# Altium PCB SVEC.pcbdoc (part 13 of 18) (continued)
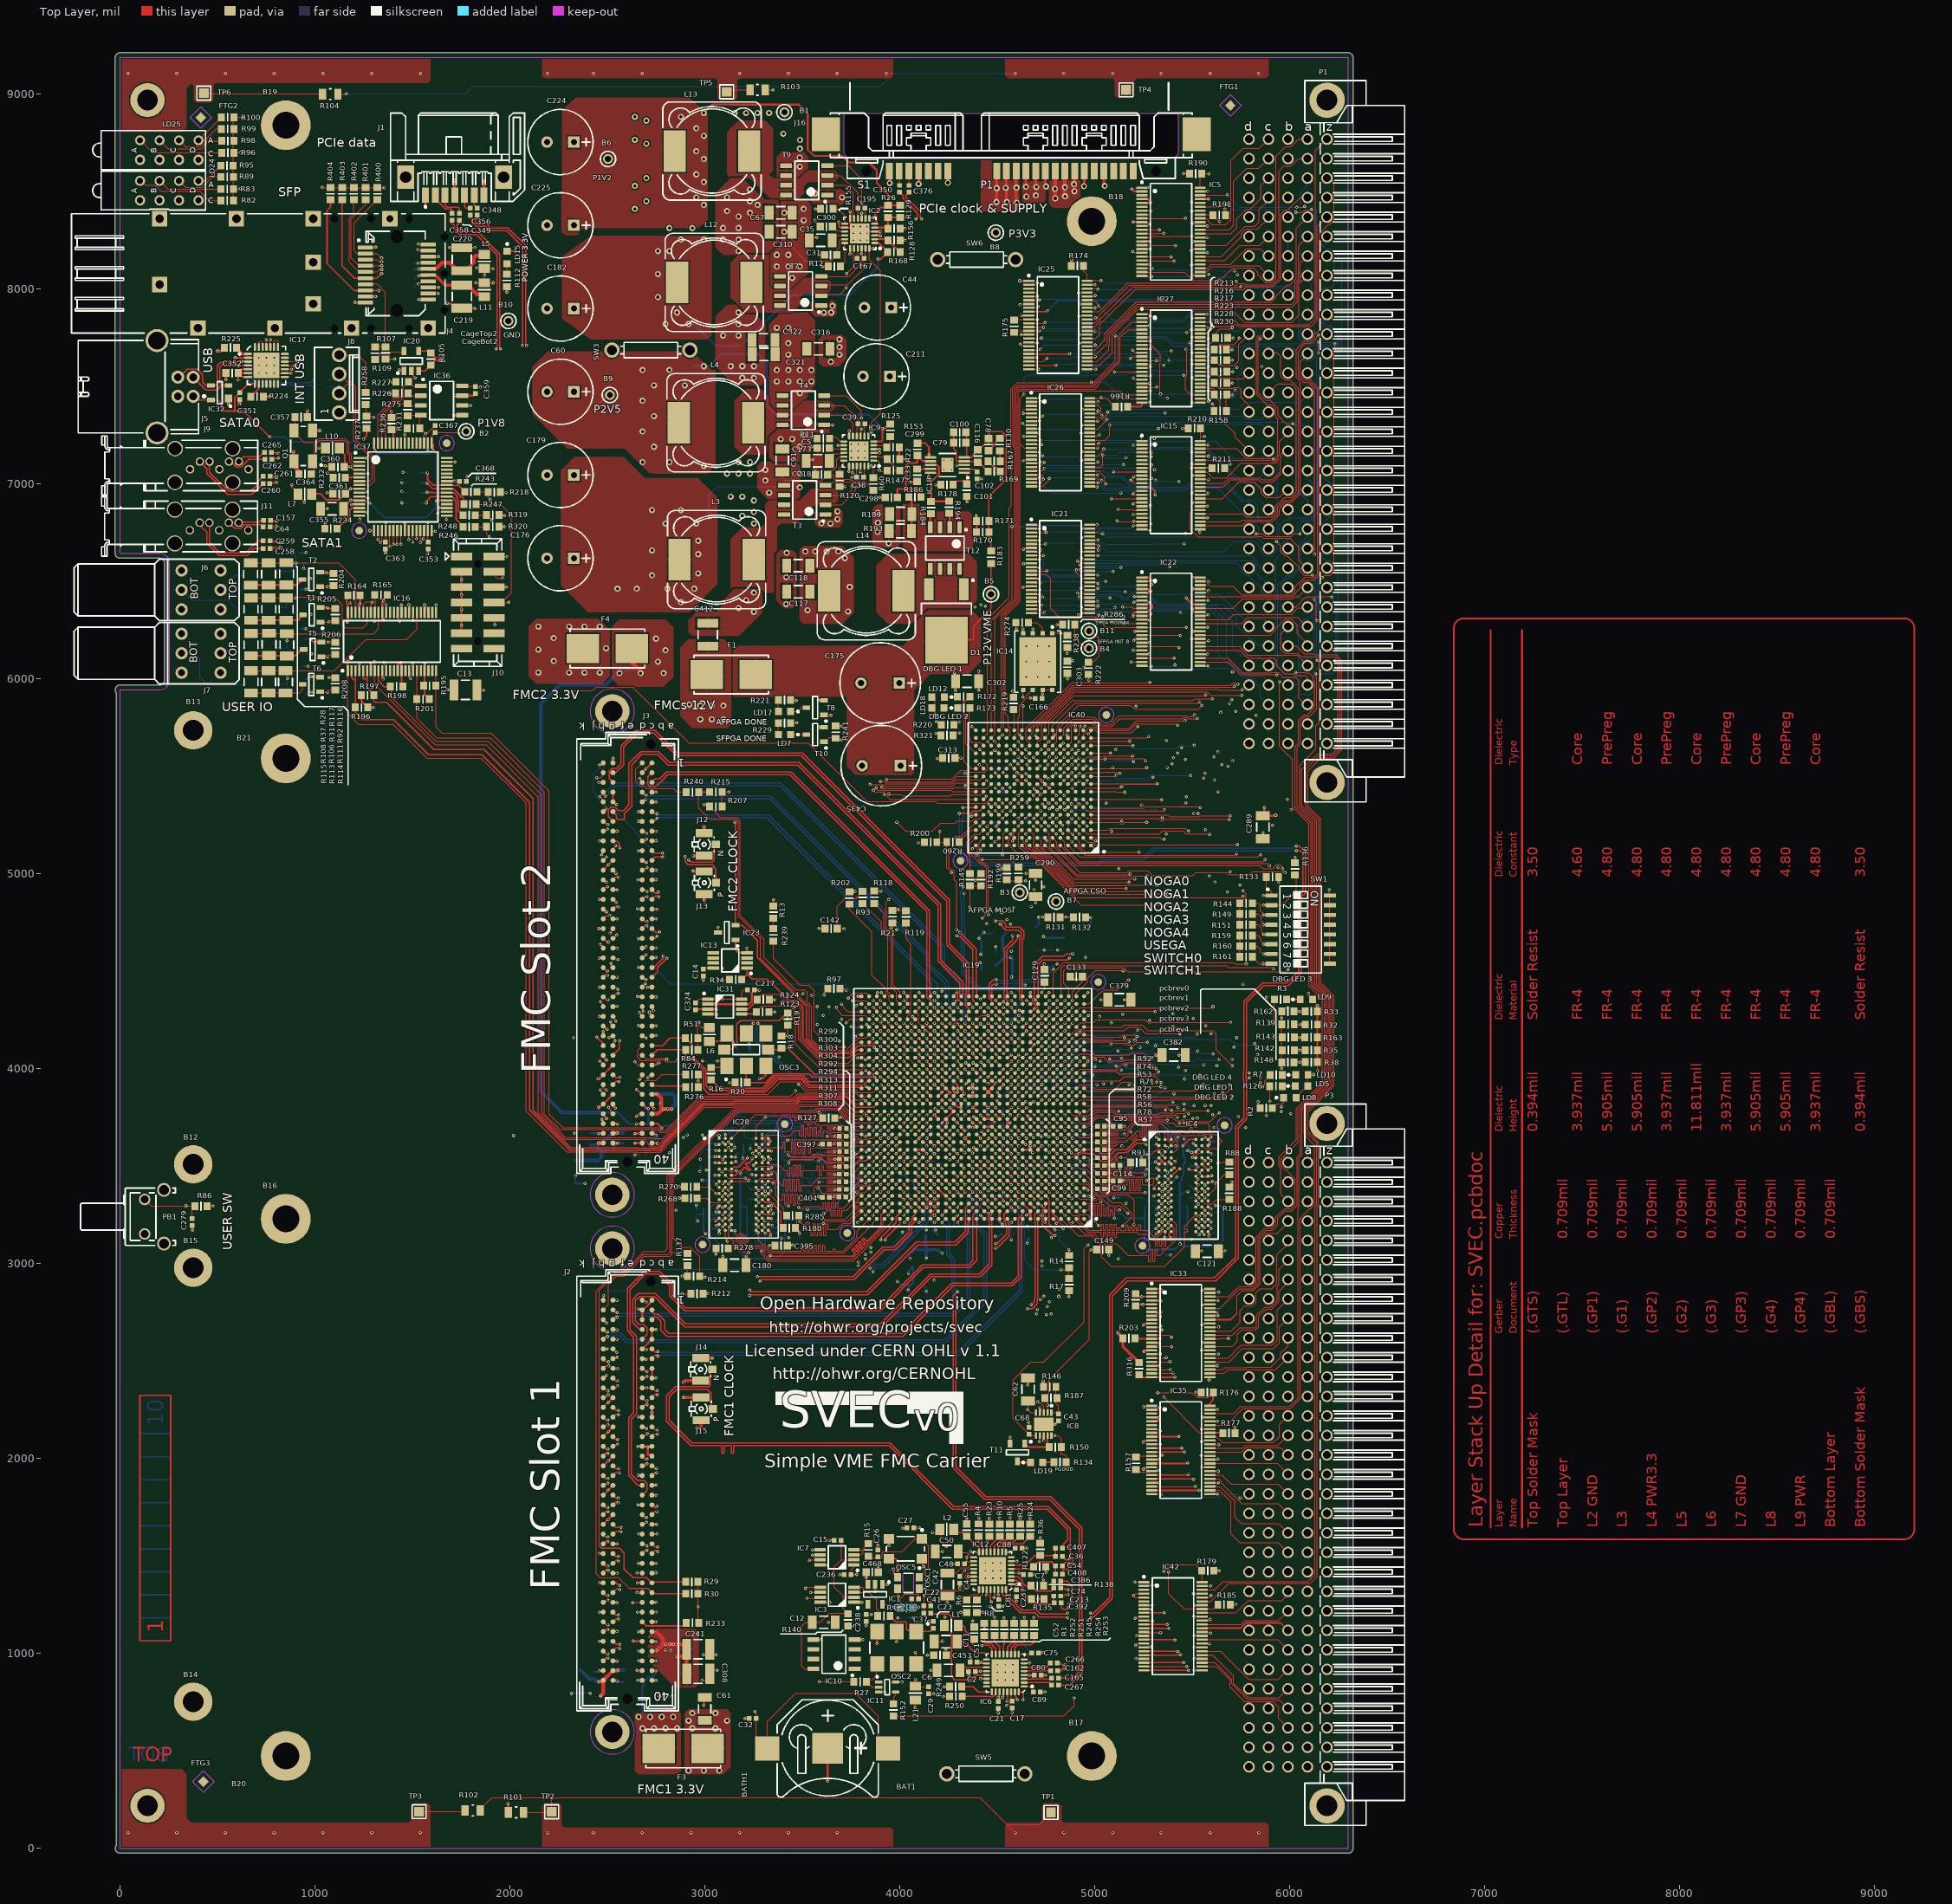
[diagram p0: Top Layer view]
## Nets (pads, with @x,y where several pads share a name; then routed paths per layer and width w, separated by ;. In a path a pad name is that pad's centre, name@x,y a point inside that pad or via, vN(x,y) a via of type N, cw(c..) or ccw(c..) an arc to the next point about the centre after c; other vN are vias at no path point) (continued)
SATA0_RX_P: C265.1 IC19.AG12 | length 5835.6
  Top Layer w6: C265.1@776.27,7162.51 791.55,7162.51 800.27,7153.79 812.55,7153.79 v1@814.35,7153.79 ; 4500.55,4271.51 4511.35,4260.71 IC19.AG12@4511.35,4253.26
  L3 w4: v1(812.55,7156.51) 812.55,7153.51 815.68,7150.38 818.96,7150.38 824.83,7144.51 829.52,7144.51 841.55,7132.48 841.55,7085.48 990.55,6936.48 990.55,6898.1 1261.55,6627.1 1261.55,6285.48 1298.52,6248.51 1858.14,6248.51 2125.52,5981.12 2718.91,5981.12 3072.52,5627.51 3261.52,5627.51 3384.02,5505.01 3915.46,5505.01 3920.84,5510.38 4146.65,5510.38 4273.55,5383.48 4273.55,5169.48 4591.65,4851.38 4592.27,4851.38 4607.43,4836.22 4607.43,4835.6 4638.55,4804.48 4638.55,4598.36 4515.69,4475.5 4515.69,4467.88 4516.43,4467.14 4516.43,4447.37 4515.69,4446.63 4515.69,4444.13 4516.43,4443.39 4516.43,4423.62 4515.69,4422.88 4515.69,4294.5 v1@4496.76,4275.57
  other v1: 4491.66,4272.95
SATA0_TX_N: C261.1 IC19.AK11 | length 5607.7
  Top Layer w6: C261.1@769.27,7039.51 784.55,7039.51 791.18,7032.88 v1(801.55,7032.88) ; IC19.AK11@4550.72,4371.37 4550.72,4384.51 4549.55,4385.67 4549.55,4610.71 4592.55,4653.71 4592.55,4654.51 4601.55,4663.51 4601.55,4681.51 v1(4606.55,4681.51)
  L3 w4: v1(801.55,7032.88) 807.43,7027.01 825.52,7027.01 924.68,6927.85 924.68,6865.38 1213.55,6576.51 1213.55,6219.48 1239.52,6193.51 1753.82,6193.51 ; 1674.55,6193.64 1753.69,6193.64 1753.82,6193.51 ; v1(4606.55,4681.51) 4600.55,4687.51 4600.55,4788.35 4577.27,4811.63 4575.81,4811.63 4567.68,4819.76 4567.68,4821.22 4413.43,4975.48 4413.43,4977.22 4239.55,5151.1 4239.55,5267.48 4112.52,5394.51 3929.17,5394.51 3926.3,5391.63 3914.81,5391.63 3911.93,5394.51 3402.55,5394.51 3209.55,5587.51 3014.62,5587.51 2891.53,5710.59 2236.74,5710.59 1753.82,6193.51
SATA0_TX_P: C260.1 IC19.AJ11 | length 5548.1
  Top Layer w6: C260.1@768.27,7002.51 783.55,7002.51 790.18,7009.13 v1(801.55,7009.13) ; IC19.AJ11@4550.72,4332 4550.72,4347.55 4533.88,4364.4 4533.88,4378.35 4535.55,4380.02 4535.55,4616.51 4578.55,4659.51 v1(4578.55,4682.51)
  L3 w4: v1(801.55,7009.13) 807.43,7015.01 820.55,7015.01 912.68,6922.88 912.68,6860.41 1201.55,6571.54 1201.55,6214.51 1234.55,6181.51 1751.68,6181.51 2233.62,5699.57 2877.71,5699.57 2878.69,5698.59 2886.56,5698.59 3009.65,5575.51 3204.58,5575.51 3397.58,5382.51 3906.96,5382.51 3909.84,5379.63 3931.27,5379.63 3934.15,5382.51 4107.55,5382.51 4227.55,5262.51 4227.55,5146.13 4401.43,4972.25 4401.43,4969.04 4588.55,4781.91 4588.55,4692.51 v1(4578.55,4682.51)
SATA1_RX_N: C259.1 IC19.AH10 | length 5379.3
  Top Layer w6: C259.1@770.27,6707.51 785.55,6707.51 793.68,6699.38 v1(821.55,6699.38) ; 4578.55,4307.51 4577.55,4307.51 4577.55,4305.17 IC19.AH10@4590.09,4292.63
  L3 w4: 827.43,6693.51 973.52,6693.51 1117.55,6549.48 1117.55,6167.51 1167.42,6117.64 1615.69,6117.64 2107.82,5625.51 2605.52,5625.51 2654.52,5576.51 2876.52,5576.51 2942.65,5510.38 3091.68,5510.38 3280.55,5321.51 3993.52,5321.51 4127.55,5187.48 4127.55,5119.51 4313.55,4933.51 v1(4323.55,4933.51)
  Bottom Layer w6: v1(4323.55,4933.51) 4317.55,4927.51 4317.55,4915.2 4310.68,4908.32 4310.68,4871.38 4315.55,4866.51 4315.55,4711.81 4322.56,4704.8 4322.56,4692.48 4315.55,4685.47 4315.55,4490.71 4404.76,4401.51 4542.55,4401.51 4553.55,4390.51 4553.55,4361.51 4552.68,4360.63 4552.68,4325.65 4562.69,4315.64
  other v1: 4570.4,4312.32
SATA1_RX_P: C258.1 IC19.AG10 | length 5511.8
  Top Layer w6: C258.1@770.27,6667.51 785.55,6667.51 793.68,6675.63 v1(821.55,6675.63) ; IC19.AG10@4590.09,4253.26 4596.07,4253.26 v1(4608.69,4240.64)
  L3 w4: v1(821.55,6675.63) 827.43,6681.51 968.55,6681.51 1105.55,6544.51 1105.55,6162.54 1160.45,6107.64 1611.55,6107.64 2103.68,5615.51 2106.51,5615.51 2108.51,5613.51 2600.55,5613.51 2649.55,5564.51 2871.55,5564.51 2937.68,5498.38 3086.71,5498.38 3275.58,5309.51 3988.55,5309.51 4115.55,5182.51 4115.55,5114.54 4314.07,4916.02 ; v1@4328.57,4901.52 4314.07,4916.02 ; v1(4329.55,4900.51) 4314.07,4915.99
  Bottom Layer w6: v1(4329.55,4900.51) 4329.55,4717.61 4336.56,4710.6 4336.56,4686.68 4329.55,4679.67 4329.55,4496.51 4408.55,4417.51 4587.85,4417.51 4612.69,4392.66 4612.69,4328.62 4594.9,4310.83 4594.9,4254.43 v1(4608.69,4240.64)
SATA1_TX_N: C64.1 IC19.AK9 | length 5384.3
  Top Layer w6: C64.1@770.27,6778.51 785.55,6778.51 790.55,6783.51 v1(803.55,6783.51) ; v1(4491.55,4757.51) 4498.55,4757.51 4501.43,4760.38 4523.68,4760.38 4542.55,4741.51 4542.55,4730.51 4547.55,4725.51 4613,4725.51 4635.43,4703.08 4635.43,4669.55 4626.68,4660.8 4626.68,4374.15 IC19.AK9@4629.46,4371.37
  L3 w4: v1(803.55,6783.51) 810.24,6790.19 909.87,6790.19 1138.68,6561.38 1138.68,6195.41 1188.58,6145.51 1703.51,6145.51 2192.37,5656.64 2644.69,5656.64 2687.82,5613.51 2900.55,5613.51 2968.55,5545.51 3122.58,5545.51 3320.58,5347.51 4053.55,5347.51 4171.55,5229.51 4171.55,5123.51 4450.55,4844.51 4450.55,4810.51 4456.55,4804.51 4458.43,4804.51 4466.56,4796.39 4466.56,4794.5 4491.55,4769.51 v1(4491.55,4757.51)
SATA1_TX_P: C157.1 IC19.AJ9 | length 5407.9
  Top Layer w6: C157.1@771.27,6813.51 786.55,6813.51 791.55,6808.51 v1@802.55,6808.51 ; v1(4514.55,4741.51) 4528.55,4727.51 4528.55,4724.71 4541.76,4711.51 4607.2,4711.51 4621.43,4697.28 4621.43,4675.34 4612.68,4666.6 4612.68,4378.41 4612.62,4378.35 4612.62,4364.4 4629.46,4347.55 IC19.AJ9@4629.46,4332
  L3 w4: v1@805.55,6802.19 914.84,6802.19 1150.68,6566.35 1150.68,6200.38 1193.55,6157.51 1702.82,6157.51 1704.82,6155.51 1707.65,6155.51 2196.52,5666.64 2648.83,5666.64 2689.96,5625.51 2905.52,5625.51 2973.52,5557.51 3127.55,5557.51 3325.55,5359.51 4058.52,5359.51 4183.55,5234.48 4183.55,5128.48 4462.55,4849.48 4462.55,4815.48 4509.68,4768.35 4509.68,4746.38 v1(4514.55,4741.51)
  other v1: 803.55,6808.88
SCL_AFPGA: IC19.AC29 IC31.6 R124.2 | length 953.9
  Top Layer w5: R124.2@3268.06,4354.51 3295.74,4382.19 3378.87,4382.19 3421.18,4339.88 3461.33,4339.88 3489.55,4311.66 3489.55,4153.21 3613.75,4029.01 3735.05,4029.01 3767.18,4061.13 3767.18,4061.46 3780.23,4074.51 3820.78,4074.51 IC19.AC29@3842.06,4095.78
  Top Layer w8: IC31.6@3188.17,4305.71 3221.56,4305.71 3268.06,4352.21 R124.2@3268.06,4354.51
SDA_AFPGA: IC19.AA30 IC31.5 R123.2 | length 832.2
  Top Layer w5: R123.2@3264.06,4290.51 3295.06,4321.51 3435.64,4321.51 3479.55,4277.6 3479.55,4150.48 3612.99,4017.04 IC19.AA30@3802.69,4017.04
  Top Layer w8: IC31.5@3188.17,4280.12 3253.67,4280.12 R123.2@3264.06,4290.51
SFP_CLK_N: IC6.31 IC20.4 R105.2 | length 10129.1
  Top Layer w6: IC20.4@1530.96,7681.69 1583.87,7681.69 R105.2@1593.55,7672 1617.05,7648.51 1653.18,7648.51 v1(1658.55,7653.88) ; IC6.31@4589.77,803.05 4592.83,799.99 4592.83,781.01 4595.33,778.51 4595.33,768.73 v1(4602.55,761.51)
  L8 w4: v1(1658.55,7653.88) 1686.59,7653.88 1827.69,7512.78 1827.69,6648.5 1793.69,6614.5 1793.69,5622.7 1868.55,5547.83 1868.55,914.72 1951.18,832.09 3211.03,832.09 3486.62,556.5 4569.29,556.5 4598.55,585.76 4598.55,747.48 4602.55,751.48 v1(4602.55,761.51)
SFP_CLK_P: IC6.32 IC20.3 R105.1 | length 10173.9
  Top Layer w6: IC20.3@1530.96,7579.32 1563.87,7579.32 R105.1@1593.55,7609.01 1618.55,7634.01 1654.68,7634.01 v1@1659.18,7629.51 ; IC6.32@4609.45,803.05 4624.01,803.05 4632.55,794.51 4632.55,764.51 v1(4630.55,762.51)
  L8 w4: v1(1659.55,7629.51) 1696.82,7629.51 1817.69,7508.64 1817.69,6652.64 1783.69,6618.64 1783.69,5615.73 1856.55,5542.86 1856.55,909.75 1946.21,820.09 3206.06,820.09 3481.65,544.5 4574.26,544.5 4577.78,548.01 4610.55,580.79 4610.55,742.51 v1(4630.55,762.51)
SFP_SYNCE_REFCLK: J4.7 R107.1 R109.2 | length 474.3
  Top Layer w5: J4.7@1258.14,8024.19 1260.45,8026.51 1317.55,8026.51 1361.55,7982.51 R107.1@1361.55,7703 1358.55,7706 R109.2@1290.55,7706
SFPGA_CCLK: IC14.6 IC40.R11 | length 287.5
  Top Layer w5: IC40.R11@4586.13,5696.41 4586.13,5706.41 4607.55,5727.83 4607.55,5802.51 4612.55,5807.51 4612.55,5862.83 4624.6,5874.88 4624.6,5877.55 4650.69,5903.64 4650.69,5914.64 4678.88,5942.84 IC14.6@4681.55,5942.84
SFPGA_CSO_B: IC14.1 IC40.T3 R238.1 | length 612.2
  Top Layer w5: IC14.1@4781.55,6234.18 4847.38,6234.18 R238.1@4858.55,6223 ; v1(4900.55,5756.51) 4901.09,5755.97 IC40.T3@4901.09,5735.78
  L5 w5: v1(4824.55,6233.51) 4901.93,6156.13 4901.93,5757.88 v1(4900.55,5756.51)
SFPGA_DONE: IC40.P13 R241.1 T10.1 | length 926.8
  Top Layer w5: T10.1@3610.63,5676.58 3616.62,5676.58 3638.69,5698.64 3666.92,5698.64 R241.1@3670.55,5695.01 3678.92,5686.64 v1(3700.69,5686.64) ; v1(4485.48,5678.51) 4485.55,5678.51 4507.02,5657.04 IC40.P13@4507.39,5657.04
  L6 w5: v1(3700.69,5686.64) 3704.69,5690.64 4441.92,5690.64 4442.38,5691.1 4454.29,5691.1 4454.75,5690.64 4473.34,5690.64 v1(4485.48,5678.51)
SFPGA_INIT_B: B4.1 IC40.R3 R286.1 | length 626.5
  Top Layer w5: R286.1@4897.05,6278.51 4897.05,6209.01 B4.1@4946.55,6159.51 ; IC40.R3@4901.09,5696.41 4920.55,5715.88 4920.55,5751.51 v1(4923.55,5754.51)
  L5 w5: v1(4923.55,5754.51) 4923.55,6110.51 B4.1@4968.55,6155.51
SFPGA_M0: IC40.T11 R219.2 | length 108.7
  Top Layer w5: R219.2@4582.55,5843.01 4586.13,5839.44 IC40.T11@4586.13,5735.78
SFPGA_M1: IC40.N11 R220.1 | length 374.9
  Top Layer w5: R220.1@4277.05,5776.51 v1(4307.55,5776.51) ; v1(4566.44,5637.36) IC40.N11@4586.13,5617.67
  L6 w5: v1(4307.55,5776.51) 4427.29,5776.51 v1(4566.44,5637.36)
SFPGA_MISO: IC40.P10 R274.2 | length 644.8
  Top Layer w5: R274.2@4595.06,6288.51 4595.06,6258 v1(4598.55,6254.51) ; v1(4605.81,5676.73) IC40.P10@4625.5,5657.04
  L5 w5: v1(4598.55,6254.51) 4599.05,6254.01 4598.18,6253.13 4598.18,5684.36 v1(4605.81,5676.73)
SFPGA_MOSI: IC14.5 IC40.T10 | length 209.6
  Top Layer w5: IC40.T10@4625.5,5735.78 4630.55,5740.84 v1(4630.55,5860.51) ; v1(4631.55,5906.51) IC14.5@4631.55,5942.84
  L3 w5: v1(4630.55,5860.51) 4630.55,5905.51 v1(4631.55,5906.51)
SFPGA_PROGRAM: B11.1 IC40.T2 R222.1 | length 594.4
  Top Layer w5: IC40.T2@4938.77,5737.47 IC40.T2@4940.46,5735.78 4940.46,5748.41 v1(4948.55,5756.51) ; v1(4943.55,6056.51) 4943.55,6063 R222.1@4966.55,6086 4990.53,6086 5022.05,6117.52 5022.05,6206.1 4987.65,6240.51 B11.1@4966.55,6240.51
  L5 w5: v1(4943.55,6056.51) 4948.55,6051.51 v1(4948.55,5756.51)
SFPRX_123_N: IC19.C22 J4.12 | length 7582
  Top Layer w6: J4.12@1580.97,7976.95 1581.28,7976.64 v1(1631.69,7976.64) ; IC19.C22@4117.65,3308.38 4135.52,3290.51 v1@4136.55,3290.51
  L8 w4: v1(1631.69,7976.64) 1643.69,7964.64 1692.69,7964.64 1731.69,7925.64 1731.69,7842.52 1949.68,7624.53 1949.68,5710.79 2052.69,5607.78 2052.69,3640.64 2003.69,3591.64 2003.69,3042.64 2092.04,2954.29 2546.49,2954.29 2546.83,2954.64 2604.68,2954.64 2616.55,2966.51 3827.69,2966.51 3828.69,2967.51 3839.55,2967.51 v1(3846.55,2974.51)
  Bottom Layer w6: v1(3846.55,2974.51) 3853.45,2974.51 3869.5,2990.56 3873.6,2994.66 3906.91,2994.66 4131.55,3219.3 4131.55,3285.51 v1@4136.55,3290.51
  other v1: 4136.69,3286.64
SFPRX_123_P: IC19.D22 J4.13 | length 7742.8
  Top Layer w6: J4.13@1580.97,8008.44 1581.78,8007.64 v1(1633.69,8007.64) ; IC19.D22@4117.65,3347.75 4121.31,3347.75 v1(4137.55,3331.51) v1@4139.55,3331.51
  L8 w4: 1620.46,7965.42 1629.24,7956.64 ; v1(1633.69,8007.64) 1633.69,8005.64 1613.69,7985.64 1613.69,7971.64 1628.69,7956.64 1629.24,7956.64 ; v1(3863.35,2957.71) 3861.14,2955.51 3832.83,2955.51 3831.83,2956.51 3186.69,2956.51 2620.69,2956.51 2608.82,2944.64 2550.98,2944.64 2550.63,2944.29 2087.89,2944.29 2087.55,2944.64 1993.69,3038.5 1993.69,3595.78 2042.69,3644.78 2042.69,5603.64 1939.69,5706.64 1939.68,7620.39 1721.69,7838.38 1721.69,7921.5 1688.55,7954.64 1631.24,7954.64 1629.24,7956.64
  Bottom Layer w6: v1(3863.35,2957.71) 3863.35,2964.61 3879.4,2980.66 3912.71,2980.66 4145.55,3213.51 4145.55,3267.51 4155.43,3277.38 4155.43,3278.69 4155.56,3278.82 4155.56,3280.23 4156.21,3280.88 4156.21,3296.51 4155.43,3297.29 4155.43,3313.63 v1(4137.55,3331.51) v1@4139.55,3331.51
SFPTX_123_N: IC19.A23 J4.19 | length 7815.8
  Top Layer w6: v1(1527.69,8200.64) 1530.91,8197.42 J4.19@1580.97,8197.42 ; v1(3282.55,2910.51) 3282.55,2914.51 3286.55,2914.51 3290.55,2918.51 3765.08,2918.51 3917.44,3070.87 3974.68,3070.87 4060.55,3156.74 4060.55,3198.78 4078.28,3216.51 IC19.A23@4078.28,3229.64
  L8 w4: v1(1527.69,8200.64) 1559.69,8168.64 1559.69,7906.81 1622.14,7844.36 1622.83,7844.36 1626.34,7840.85 1626.34,7840.16 1862.43,7604.07 1862.43,7490.76 1861.69,7490.02 1861.69,6691.64 1885.62,6667.71 1885.62,6630.71 1883.62,6628.71 1880.69,6625.78 1880.69,5631.5 1883.62,5628.57 1945.69,5566.5 1945.69,2999.5 1948.62,2996.57 2084.55,2860.64 2984.69,2860.64 3039.55,2915.51 3261.28,2915.51 3266.28,2910.51 v1(3282.55,2910.51)
SFPTX_123_P: IC19.B23 J4.18 | length 7816
  Top Layer w6: J4.18@1580.97,8165.92 1581.26,8165.64 v1(1632.69,8165.64) ; v1(3269.55,2932.51) 3759.28,2932.51 3911.64,3084.87 3968.88,3084.87 4046.55,3162.54 4046.55,3204.58 4061.44,3219.46 4061.44,3236.62 4078.28,3253.46 IC19.B23@4078.28,3269.01
  L8 w4: v1(1632.69,8165.64) 1590.69,8165.64 1569.69,8144.64 1569.69,7910.95 1626.28,7854.36 1626.97,7854.36 1636.34,7844.99 1636.34,7844.3 1733.34,7747.3 1736,7744.64 1872.43,7608.21 1872.43,7486.62 1871.69,7485.88 1871.69,6695.78 1892.69,6674.78 1895.62,6671.85 1895.62,6626.57 1892.69,6623.64 1890.69,6621.64 1890.69,5635.64 1955.69,5570.64 1955.69,3003.64 2088.69,2870.64 2980.55,2870.64 3037.41,2927.51 3249.55,2927.51 3254.55,2932.51 v1(3269.55,2932.51)
SI57X_CLK_N: IC19.W28 OSC3.5 | length 872.4
  Top Layer w6: OSC3.5@3210.55,4182.18 3210.55,4190.51 3247.68,4227.63 v1(3247.68,4232.51) ; v1@3867.55,3952.51 3872.82,3952.51 3881.43,3943.9 IC19.W28@3881.43,3938.3
  Bottom Layer w6: v1(3247.68,4232.51) 3252.55,4227.63 3252.55,4148.51 3337.52,4063.54 3337.52,4060.97 3367.73,4030.77 3370.29,4030.77 3443.55,3957.51 3448.55,3952.51 v1@3867.55,3952.51
  other v1: 3871.69,3954.64
SI57X_CLK_P: IC19.W27 OSC3.4 | length 898.1
  Top Layer w6: v1(3271.43,4232.51) 3310.55,4193.38 OSC3.4@3310.55,4182.18 ; v1@3901.55,3957.55 IC19.W27@3920.8,3938.3
  Bottom Layer w6: v1(3271.43,4232.51) 3266.55,4227.63 3266.55,4154.31 3351.52,4069.33 3351.52,4066.77 3373.53,4044.77 3376.09,4044.77 3454.35,3966.51 3849.69,3966.51 3857.82,3974.64 3884.46,3974.64 v1(3901.11,3957.99)
SI57X_SCL: IC19.Y30 OSC3.8 R18.1 | length 541.2
  Top Layer w6: OSC3.8@3323.86,4097.51 3385.05,4097.51 R18.1@3392.55,4105.01 3427.32,4105.01 3562.58,3969.75 3794.76,3969.75 IC19.Y30@3802.69,3977.67
SI57X_SDA: IC19.AA29 OSC3.7 R19.1 | length 1084
  Top Layer w5: R19.1@3424.55,4286 3465.55,4245 3465.55,4124.77 3595.81,3994.51 3803.27,3994.51 3825.8,4017.04 IC19.AA29@3842.06,4017.04
  Top Layer w6: OSC3.7@3098.25,4099.51 3137.59,4099.51 3165.43,4127.34 3165.43,4139.67 3163.55,4141.54 3163.55,4228.51 3183.69,4248.64 3184.95,4247.38 3380.43,4247.38 R19.1@3422.55,4289.51
SI57X_TUNE: IC19.W30 R16.2 | length 820.8
  Top Layer w6: R16.2@3038.55,3936.51 3076.05,3899.01 3295.56,3899.01 3360.07,3963.51 3503.1,3963.51 3533.11,3933.51 3797.89,3933.51 IC19.W30@3802.69,3938.3
SW: D1.1 D1.2 L14.2 T12.5 T12.6 T12.7 T12.8
SWITCH0: IC19.W22 IC40.D14 R160.1 SW1.7 | length 3306.8
  Top Layer w5: v1@4097.55,3957.51 4097.55,3957.58 v1(4097.96,3957.99) IC19.W22@4117.65,3938.3 ; v1(4447.55,5242.51) 4447.55,5242.88 IC40.D14@4468.02,5263.34 IC40.D14@4468.02,5257.97 ; R160.1@5807.05,4628.51 5833.55,4628.51 5849.55,4612.51 5849.55,4600.51 5861.55,4588.51 v1(5865.55,4588.51) SW1.7@5905.95,4588.51
  L6 w4: v1@4097.55,3957.51 4097.55,3976.62 4113.55,3992.62 4113.55,4159 4084.09,4188.46 4084.09,4199.95 4115.46,4231.32 4115.46,4323.41 4116.55,4324.51 4116.55,4700.51 4154.55,4738.51 4421.55,4738.51 4421.68,4738.63 4439.68,4738.63 v1(4444.55,4743.51) 4468.43,4719.63 4523.61,4719.63 4529.49,4725.51 4669.55,4725.51 4686.55,4708.51 5686.55,4708.51 5806.55,4588.51 v1(5865.55,4588.51)
  L5 w4: v1(4444.55,4743.51) 4436.43,4751.63 4436.43,4765.76 4436.56,4765.89 4436.56,5079.12 4432.96,5082.72 4432.96,5227.91 v1(4447.55,5242.51)
SWITCH1: IC19.W21 IC40.D16 R161.1 SW1.8 | length 3362.5
  Top Layer w5: v1@4137.55,3956.51 4137.55,3957.77 IC19.W21@4157.02,3938.3 ; v1(4290.55,4713.51) 4290.55,4953.13 4290.93,4953.51 4290.93,4956.39 4278.93,4968.39 4278.93,5012.46 4270.51,5020.88 4262.91,5020.88 4251.55,5032.23 4251.55,5115.51 4271.55,5135.51 4271.55,5177.6 4286.46,5192.51 4318.44,5192.51 IC40.D16@4389.28,5263.34 ; R161.1@5807.05,4573.51 5842.05,4538.51 v1(5861.55,4538.51) SW1.8@5905.95,4538.51
  L6 w4: v1@4137.55,3956.51 4123.05,3971.01 4123.05,4181.65 4115.81,4188.89 4115.81,4200.39 4124.43,4209 4124.43,4226.86 4123.46,4227.83 4123.46,4318.06 4124.55,4319.16 4124.55,4693.51 4140.55,4709.51 v1@4294.55,4709.51 ; v1(4290.55,4713.51) v1@4294.55,4709.51 ; v1(5861.55,4538.51) 5842.41,4538.51 5682.41,4698.51 4681.55,4698.51 4670.55,4709.51 4440.17,4709.51 4436.3,4713.38 4298.43,4713.38 v1@4294.55,4709.51
  other v1: 4137.33,3957.99
TEMPID_DQ: IC13.1 IC19.AC30 R34.1 | length 943.3
  Top Layer w8: R34.1@3189.05,4457.51 3216.17,4484.62 3216.17,4485.45 ; IC13.1@3216.17,4517.12 3216.17,4485.45 ; IC19.AC30@3802.69,4095.78 3778.83,4095.78 3740.55,4057.51 3600.1,4057.51 3501.55,4156.05 3501.55,4314.51 3465.68,4350.38 3429.23,4350.38 3320.1,4459.51 3242.11,4459.51 3216.17,4485.45
TERM_EN1: IC19.AB1 R205.2 T1.1 | length 6475.8
  Top Layer w4: v1@1071.15,6291.1 v1(1072.55,6292.51) 1078.06,6298.01 R205.2@1103.55,6298.01
  Top Layer w5: T1.1@1028.83,6291.1 v1@1071.15,6291.1 ; IC19.AB1@4944.42,4056.41 4949.51,4051.32 4995.74,4051.32 v1(5001.55,4045.51)
  L6 w4: v1(1072.55,6292.51) 1103.93,6292.51 1153.05,6341.63 2696.37,6341.63 2766.5,6271.51 4251.81,6271.51 4293.93,6313.63 4990.75,6313.63 4997.49,6320.38 5014.28,6320.38 v1(5019.81,6325.91)
  L5 w4: v1(5001.55,4045.51) 5039.69,4083.64 5039.69,4272.64 5017.81,4294.51 5017.81,4396.15 5033.43,4411.76 5033.43,5180.88 5028.43,5185.88 5028.43,6307.57 5019.81,6316.19 v1(5019.81,6325.91)
TERM_EN2: IC19.W5 R204.2 T2.1 | length 6838.3
  Top Layer w4: v1(1063.55,6472.51) 1069.06,6478.01 R204.2@1094.55,6478.01
  Top Layer w5: T2.1@1025.83,6472.1 1063.15,6472.1 v1(1063.55,6472.51) ; IC19.W5@4786.94,3938.3 v1(4806.62,3957.99) ; v1(5010.55,3918.51) v1@5014.55,3918.51
  L6 w4: v1(1063.55,6472.51) 1063.55,6442.77 1150.82,6355.51 1731.27,6355.51 1745.15,6369.38 1756.64,6369.38 1773.39,6352.63 2696.68,6352.63 2769.81,6279.51 4248.5,6279.51 4293.62,6324.63 4911.68,6324.63 v1(4914.55,6327.51)
  L5 w4: v1(4914.55,6327.51) 4929.68,6312.38 5012.3,6312.38 5020.43,6304.25 5020.43,5182.57 5025.43,5177.57 5025.43,4415.07 5009.68,4399.33 5009.68,4073.25 4987.68,4051.25 4987.68,4039.76 4995.81,4031.63 4999.05,4031.63 5016.55,4014.13 5016.55,3924.51 v1(5010.55,3918.51)
  Bottom Layer w5: v1(4806.62,3957.99) 4829.73,3934.88 4851.51,3934.88 4861.88,3924.51 5004.55,3924.51 v1(5010.55,3918.51)
TERM_EN3: IC19.W4 R208.2 T6.1 | length 6941.5
  Top Layer w4: v1@1065.15,5931.1 v1(1065.55,5931.51) 1077.06,5943.01 R208.2@1103.55,5943.01
  Top Layer w5: T6.1@1032.83,5931.1 v1@1065.15,5931.1 ; IC19.W4@4826.31,3938.3 v1(4846,3957.99)
  L6 w4: v1(1065.55,5931.51) 1102.55,5968.51 1102.55,6268.51 1159.68,6325.63 2689.74,6325.63 2759.87,6255.51 4261.55,6255.51 4303.68,6297.63 5005.68,6297.63 v1(5006.55,6298.51) ; v1(4846,3957.99) 4857.04,3957.99 4872.68,3973.63 4908,3973.63 4912,3977.63 4951.43,3977.63 4962.55,3966.51 v1(4988.55,3966.51)
  L5 w4: v1(4988.55,3966.51) 4979.68,3975.38 4979.68,4054.57 5001.68,4076.57 5001.68,4402.64 5017.43,4418.39 5017.43,5174.25 5006.55,5185.13 v1(5006.55,6298.51)
TERM_EN4: IC19.V4 R206.2 T5.1 | length 6918.1
  Top Layer w4: v1(1065.55,6113.51) 1076.06,6124.01 R206.2@1103.55,6124.01
  Top Layer w5: T5.1@1032.83,6113.1 1065.15,6113.1 v1(1065.55,6113.51) ; IC19.V4@4826.31,3898.93 v1(4846,3918.62) 4845.55,3919.06 v1@4845.55,3920.51
  L6 w4: v1(1065.55,6113.51) 1093.55,6141.51 1093.55,6270.82 1156.37,6333.63 2693.06,6333.63 2763.18,6263.51 4255.12,6263.51 4297.25,6305.63 4994.06,6305.63 5000.81,6312.38 5013.71,6312.38 5014.06,6312.04 5032.08,6312.04 v1(5039.55,6319.51) ; v1@4845.55,3920.51 4977.55,3920.51 4995.43,3938.38 5026.68,3938.38 v1(5043.55,3921.51)
  L5 w4: v1(5039.55,6319.51) 5039.55,6311.2 5036.43,6308.07 5036.43,5189.19 5049.43,5176.19 5049.43,3927.38 v1(5043.55,3921.51)
UART_RXD: IC17.24 IC19.U27 | length 6308
  Top Layer w4: IC17.24@770.37,7702.13 770.37,7739.32 v1(770.69,7739.64)
  Top Layer w5: v1(3901.11,3879.25) IC19.U27@3920.8,3859.56
  L5 w4: v1(770.69,7739.64) 789.33,7721 820.31,7721 852.88,7688.43 852.88,7521.19 1235.68,7138.39 1235.68,7120.13 1420.55,6935.26 1420.55,6899.09 1606.55,6713.09 1606.55,6431.51 1593.55,6418.51 1593.55,5889.73 1967.55,5515.73 1967.55,4038.51 2100.55,3905.51 2542.57,3905.51 2545.31,3902.77 2570.06,3902.77 2578.3,3911 2815,3911 2828,3898 3431.71,3898 3457.94,3871.77 3794.94,3871.77 3804.55,3881.38 3805.69,3882.51 3889.55,3882.51 3893.67,3878.38 3896.55,3878.38 3897.42,3877.51 3899.37,3877.51 v1(3901.11,3879.25)
UART_TXD: IC17.25 IC19.U25 | length 6435.6
  Top Layer w4: v1(748.69,7739.64) 750.69,7737.64 IC17.25@750.69,7702.13
  Top Layer w5: v1(3979.85,3879.25) IC19.U25@3999.54,3859.56
  L5 w4: v1(748.69,7739.64) 775.33,7713 817,7713 844.88,7685.12 844.88,7517.88 1222.77,7139.99 1222.77,7121.73 1412.55,6931.94 1412.55,6885.51 1591.93,6706.13 1591.93,6432.88 1582.55,6423.51 1582.55,5888.01 1959.55,5511.01 1959.55,4035.19 2120.24,3874.51 2680.88,3874.51 2709.37,3903 2775.13,3903 2797.26,3880.87 3437.52,3880.87 3454.63,3863.77 3798.25,3863.77 3807.87,3873.38 3809,3874.51 3886.23,3874.51 3898.23,3862.51 3963.11,3862.51 v1(3979.85,3879.25)
USB_CLKOUT: IC19.V24 IC37.32 | length 5046.9
  Top Layer w5: IC37.32@1598.62,6760.1 1601.21,6757.51 v1(1616.55,6757.51) ; v1(4019.22,3918.62) IC19.V24@4038.91,3898.93
  L3 w5: v1(3861.69,3917.64) 3879.69,3935.64 3979.69,3935.64 3982.34,3932.99 4004.85,3932.99 v1(4019.22,3918.62)
  L5 w4: v1(1616.55,6757.51) 1616.55,6426.51 1606.18,6416.13 1606.18,5889.83 1975.55,5520.46 1975.55,4048.51 2110.55,3913.51 2545.88,3913.51 2548.63,3910.77 2566.75,3910.77 2574.98,3919 2818.31,3919 2829.8,3907.51 3473.19,3907.51 3474.94,3905.77 3495.79,3905.77 3513.41,3923.38 3836.95,3923.38 3841.69,3918.64
  L5 w5: 3841.69,3918.64 3860.69,3918.64 v1(3861.69,3917.64)
USB_D0: IC19.P27 IC37.16 | length 5317.4
  Top Layer w5: IC37.16@1226.58,6836.87 1228.55,6834.89 v1(1228.55,6816.51) ; v1(3901.11,3721.77) IC19.P27@3920.8,3741.45
  L5 w4: v1(1228.55,6816.51) 1224.68,6812.63 1260.43,6776.88 1260.43,5988.63 1824.36,5424.7 1824.36,4023.31 2145.61,3702.06 2655.74,3702.06 2674.31,3720.63 3336.06,3720.63 3337.81,3722.38 3679.93,3722.38 3688.67,3713.64 3892.99,3713.64 v1(3901.11,3721.77)
USB_D1: IC19.R24 IC37.17 | length 5361
  Top Layer w5: v1(1281.55,6760.51) 1281.96,6760.1 IC37.17@1303.35,6760.1 ; v1(4019.22,3761.14) IC19.R24@4038.91,3780.82
  L5 w4: v1(1281.55,6760.51) 1270.68,6749.63 1270.68,5989.69 1836.55,5423.82 1836.55,4022.43 2141.22,3717.77 2517.26,3717.77 2529.32,3729.82 2655.75,3729.82 2656.94,3728.63 3332.75,3728.63 3334.49,3730.38 3683.24,3730.38 3690.98,3722.64 3882.37,3722.64 3895.37,3735.64 3993.73,3735.64 v1(4019.22,3761.14)
USB_D2: IC19.R25 IC37.18 | length 5261.6
  Top Layer w5: v1(1322.55,6715.51) 1323.03,6715.99 IC37.18@1323.03,6760.1 ; v1(3979.85,3761.14) IC19.R25@3999.54,3780.82
  L5 w4: v1(1322.55,6715.51) 1322.55,5987.77 1845.55,5464.77 1845.55,4024.74 2144.53,3725.77 2513.95,3725.77 2527.69,3739.51 2677.69,3739.51 2680.56,3736.63 3329.43,3736.63 3331.18,3738.38 3686.56,3738.38 3694.3,3730.64 3872.69,3730.64 3886.43,3744.38 3963.1,3744.38 v1(3979.85,3761.14)
USB_D3: IC19.R27 IC37.19 | length 5171.9
  Top Layer w5: v1(1336.55,6698.51) 1341.55,6698.51 1342.72,6699.67 IC37.19@1342.72,6760.1 ; v1(3901.11,3761.14) IC19.R27@3920.8,3780.82
  L5 w4: v1(1336.55,6698.51) 1331.68,6693.63 1331.68,5991.65 1854.55,5468.77 1854.55,4027.06 2113.84,3767.77 2552.06,3767.77 2553.49,3769.19 2655.75,3769.19 2661.17,3763.77 2841.06,3763.77 2841.8,3764.51 3560.81,3764.51 3572.69,3752.63 3600.69,3752.63 3612.56,3764.51 3711.69,3764.51 3737.55,3738.64 3858.87,3738.64 3881.36,3761.14 v1(3901.11,3761.14)
USB_D4: IC19.R28 IC37.21 | length 5093.4
  Top Layer w5: IC37.21@1382.09,6760.1 1382.09,6682.2 v1(1385.63,6678.66) ; v1(3861.74,3761.14) IC19.R28@3881.43,3780.82
  L5 w4: v1(1385.63,6678.66) 1385.63,5968.43 1867.55,5486.51 1867.55,4025.37 2117.16,3775.77 2548.75,3775.77 2550.17,3777.19 2659.06,3777.19 2664.49,3771.77 2837.75,3771.77 2838.49,3772.51 3564.13,3772.51 3576,3760.63 3597.37,3760.63 3610.37,3773.63 3790.43,3773.63 3816.8,3747.26 3851.31,3747.26 3861.74,3757.7 v1(3861.74,3761.14)
USB_D5: IC19.R22 IC37.22 | length 5297.1
  Top Layer w5: v1(1401.71,6690.51) 1401.77,6690.57 IC37.22@1401.77,6760.1 ; v1(4097.96,3761.14) IC19.R22@4117.65,3780.82
  L5 w4: v1(1401.71,6690.51) 1401.71,5967.02 1879.55,5489.18 1879.55,4024.68 2120.47,3783.77 2545.43,3783.77 2546.86,3785.19 2662.38,3785.19 2667.8,3779.77 2834.43,3779.77 2835.47,3780.8 3564.11,3780.8 3571.69,3788.38 3647.69,3788.38 3654.44,3781.63 4077.47,3781.63 v1(4097.96,3761.14)
USB_D6: IC19.P22 IC37.23 | length 5353.2
  Top Layer w5: v1(1421.46,6690.51) IC37.23@1421.46,6760.1 ; v1(4097.96,3721.77) IC19.P22@4117.65,3741.45
  L5 w4: v1(1421.46,6690.51) 1419.18,6688.23 1419.18,5962.28 1889.55,5491.91 1889.55,4026 2097.16,3818.39 2750.12,3818.39 2763.38,3805.13 2777.75,3805.13 2791.01,3818.39 3420.81,3818.39 3431.43,3807.77 3642.23,3807.77 3660,3790 4094,3790 4113,3771 4113,3736.8 v1(4097.96,3721.77)
USB_D7: IC19.R21 IC37.24 | length 5317.4
  Top Layer w5: IC37.24@1441.14,6760.1 1441.14,6690.57 v1(1441.21,6690.51) ; v1(4137.33,3761.14) IC19.R21@4157.02,3780.82
  L5 w4: v1(1441.21,6690.51) 1428.18,6677.48 1428.18,6321.21 1454.93,6294.46 1454.93,5939.26 1902.55,5491.64 1902.55,4024.31 2100.47,3826.39 2759.77,3826.39 2766.25,3832.87 2777.75,3832.87 2784.23,3826.39 3424.12,3826.39 3434.75,3815.77 3645.55,3815.77 3663.31,3798 4105.06,3798 4137.33,3765.73 v1(4137.33,3761.14)
USB_D_N: IC17.4 IC32.2 J5.2 R121.2 | length 966.7
  Top Layer w6: J5.2@402.61,7547.72 J5.2@374.92,7547.72 441,7481.64 497.69,7481.64 521.09,7505.04 522.29,7505.04 ; IC32.2@555.96,7505.04 522.29,7505.04 ; v1(607.69,7606.64) 606.69,7607.64 606.69,7610.64 521.69,7610.64 512.69,7601.64 512.69,7514.64 522.29,7505.04 ; v1@608.69,7607.64 IC17.4@656.2,7607.64
  Bottom Layer w6: v1@613.87,7608.77 629.51,7608.77 629.74,7609 646,7609 661,7594 661,7533.2 688.56,7505.64 979.19,7505.64 R121.2@998.19,7486.64
USB_D_P: IC17.3 IC32.3 J5.3 R154.2 | length 1006.7
  Top Layer w6: J5.3@296.18,7547.72 303.77,7547.72 344.23,7588.18 396.15,7588.18 423.69,7560.64 423.69,7522.64 439.69,7506.64 463.82,7506.64 IC32.3@465.41,7505.04 493.09,7505.04 498.69,7510.64 498.69,7607.64 515.69,7624.64 599,7624.64 602.87,7628.51 618.51,7628.51 619.69,7627.33 IC17.3@656.2,7627.33
  Bottom Layer w6: v1(621.69,7627.64) 626.33,7623 651.8,7623 675,7599.8 675,7539 694.36,7519.64 979.19,7519.64 R154.2@998.19,7538.64
USB_OE_N: IC19.Y25 IC37.33 | length 4957.5
  Top Layer w5: v1(1674.55,6817.51) 1675.4,6818.35 IC37.33@1675.4,6836.87 ; v1(3979.85,3997.36) IC19.Y25@3999.54,3977.67
  L5 w4: v1(1674.55,6817.51) 1665.68,6808.63 1665.68,5878.42 2007.55,5536.54 2007.55,4085.51 2107.43,3985.63 3697.06,3985.63 3714.18,3968.51 3845.18,3968.51 3851.31,3974.63 3957.13,3974.63 v1(3979.85,3997.36)
USB_RD_N: IC19.T26 IC37.28 | length 5042.7
  Top Layer w5: v1(1519.55,6719.51) 1519.88,6719.84 IC37.28@1519.88,6760.1 ; v1(3940.48,3839.88) IC19.T26@3960.17,3820.19
  L5 w4: v1(1519.55,6719.51) 1519.55,5912.82 1932.55,5499.82 1932.55,4028.25 2110.42,3850.39 2749.83,3850.39 2756.31,3856.87 2787.69,3856.87 2794.17,3850.39 3004.07,3850.39 3004.18,3850.51 3433.95,3850.51 3444.69,3839.77 3808.19,3839.77 3817.81,3849.38 3818.94,3850.51 3828.17,3850.51 3852.68,3826 3926.61,3826 v1(3940.48,3839.88)
USB_RXF_N: IC19.T24 IC37.26 | length 5169.4
  Top Layer w5: v1(1479.55,6714.51) 1480.51,6715.47 IC37.26@1480.51,6760.1 ; v1(4019.22,3839.88) IC19.T24@4038.91,3820.19
  L5 w4: v1(1479.55,6714.51) 1479.55,6396.83 1467.18,6384.46 1467.18,5939.74 1914.55,5492.37 1914.55,4023.62 2103.79,3834.39 2756.46,3834.39 2762.94,3840.87 2781.06,3840.87 2787.54,3834.39 3427.44,3834.39 3438.06,3823.77 3648.86,3823.77 3666.63,3806 3985.34,3806 v1(4019.22,3839.88)